# Altium PCB Quark.PcbDoc (part 1 of 4) (continued)
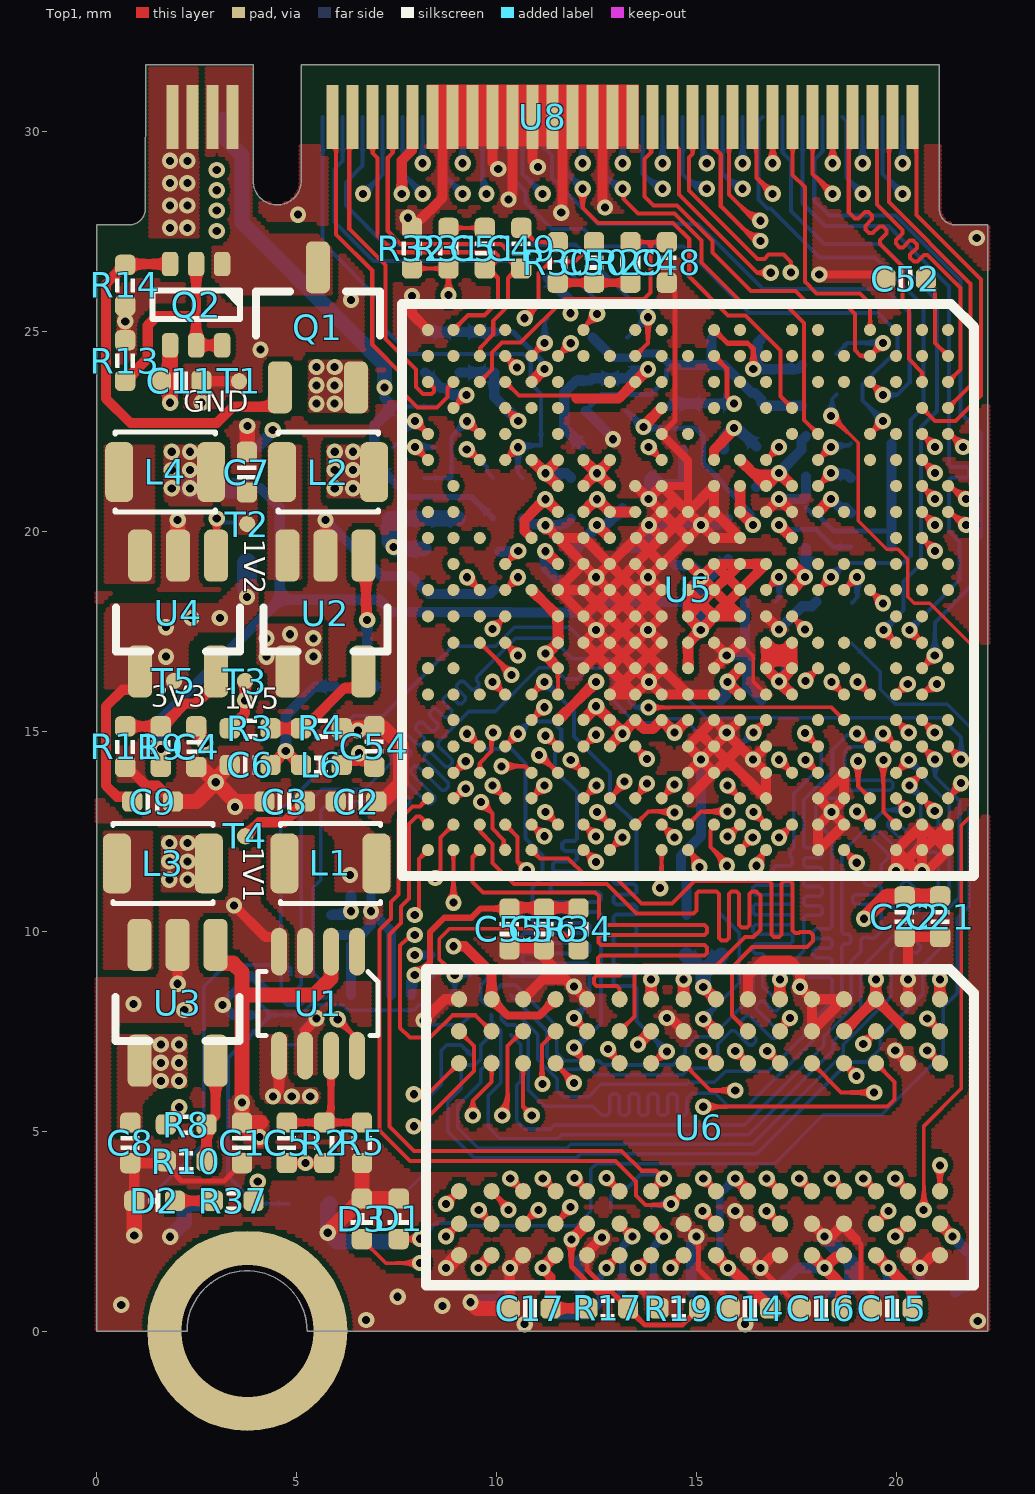
[diagram p0: Top1 view]
## Components (designator, comment, footprint, x,y, rotation, side; value= is the part's Value field where it differs from the comment)
C1 "10uF" CAP_0402 3.628,4.709 r90 top value=0.1u
C2 "10uF" CAP_0402 6.477,13.244 r180 top value=0.1u
C3 "0.1uF" CAP_0402 4.695,13.244 r0 top value=0.1u
C4 "10uF" CAP_0402 2.485,14.615 r90 top value=0.1u
C5 "10uF" CAP_0402 4.746,4.712 r270 top value=0.1u
C6 "10uF" CAP_0402 3.832,14.158 r0 top value=0.1u
C7 "10uF" CAP_0402 3.75,21.478 r270 top value=0.1u
C8 "10uF" CAP_0402 0.834,4.709 r90 top value=0.1u
C9 "10uF" CAP_0402 1.393,13.244 r180 top value=0.1u
C10 "10uF" CAP_0402 12.395,24.333 r270 bottom value=0.1u
C11 "10uF" CAP_0402 2.104,23.759 r180 top value=0.1u
C12 "10uF" CAP_0402 7.315,20.828 r90 bottom value=0.1u
C13 "10uF" CAP_0402 19.177,0.965 r0 bottom value=0.1u
C14 "1uF" CAP_0402 16.327,0.574 r0 top value=0.1u
C15 "0.1uF" CAP_0402 19.883,0.574 r0 top value=0.1u
C16 "0.1uF" CAP_0402 18.105,0.574 r0 top value=0.1u
C17 "0.1uF" CAP_0402 10.831,0.569 r0 top value=0.1u
C18 "0.1uF" CAP_0402 20.947,0.965 r0 bottom value=0.1u
C19 "0.1uF" CAP_0402 17.399,0.965 r180 bottom value=0.1u
C20 "0.1uF" CAP_0402 14.351,0.965 r180 bottom value=0.1u
C21 "0.1uF" CAP_0402 21.082,10.363 r90 top value=0.1u
C22 "0.1uF" CAP_0402 20.193,10.363 r90 top value=0.1u
C23 "0.1uF" CAP_0402 15.606,9.906 r90 bottom value=0.1u
C24 "0.1uF" CAP_0402 14.736,9.906 r270 bottom value=0.1u
C25 "0.1uF" CAP_0402 16.764,16.895 r0 bottom value=0.1u
C26 "0.1uF" CAP_0402 17.729,21.869 r90 bottom value=0.1u
C27 "0.1uF" CAP_0402 17.729,20.082 r270 bottom value=0.1u
C28 "0.1uF" CAP_0402 16.104,15.773 r180 bottom value=0.1u
C29 "1uF" CAP_0402 15.164,21.184 r0 bottom value=0.1u
C30 "0.1uF" CAP_0402 12.725,23.01 r0 bottom value=0.1u
C31 "18pF" CAP_0402 17.628,23.647 r270 bottom value=0.1u
C32 "18pF" CAP_0402 14.351,23.647 r270 bottom value=0.1u
C33 "10uF" CAP_0402 17.475,18.237 r0 bottom value=0.1u
C34 "0.1uF" CAP_0402 14.436,19.685 r270 bottom value=0.1u
C35 "0.1uF" CAP_0402 15.779,19.812 r270 bottom value=0.1u
C36 "0.1uF" CAP_0402 15.697,18.237 r180 bottom value=0.1u
C37 "0.1uF" CAP_0402 15.164,22.047 r180 bottom value=0.1u
C38 "0.1uF" CAP_0402 19.355,20.463 r180 bottom value=0.1u
C39 "10uF" CAP_0402 13.386,21.387 r180 bottom value=0.1u
C40 "0.1uF" CAP_0402 13.144,20.066 r90 bottom value=0.1u
C41 "0.1uF" CAP_0402 11.854,20.828 r90 bottom value=0.1u
C42 "0.1uF" CAP_0402 19.355,19.601 r180 bottom value=0.1u
C43 "1uF" CAP_0402 8.204,24.474 r90 bottom value=0.1u
C44 "10uF" CAP_0402 8.179,20.828 r90 bottom value=0.1u
C45 "10uF" CAP_0402 9.931,24.474 r270 bottom value=0.1u
C46 "0.1uF" CAP_0402 9.068,24.474 r270 bottom value=0.1u
C47 "0.1uF" CAP_0402 10.643,20.828 r90 bottom value=0.1u
C48 "1uF" CAP_0402 14.249,26.721 r270 top value=0.1u
C49 "0.1uF" CAP_0402 10.609,27.076 r90 top value=0.1u
C50 "10uF" CAP_0402 12.429,26.721 r270 top value=0.1u
C51 "0.1uF" CAP_0402 9.699,27.076 r90 top value=0.1u
C52 "0.1uF" CAP_0402 20.218,26.314 r0 top value=0.1u
C53 "0.1uF" CAP_0402 19.355,21.329 r180 bottom value=0.1u
C54 "10uF" CAP_0402 6.934,14.622 r270 top locked value=0.1u
C55 "2.2uF" CAP_0402 10.312,10.058 r90 top value=0.1u
C56 "0.1uF" CAP_0402 11.176,10.058 r90 top value=0.1u
C57 "2.2uF" CAP_0402 5.311,3.19 r0 bottom value=0.1u
C58 "0.1uF" CAP_0402 3.459,3.19 r180 bottom value=0.1u
C59 "0.1uF" CAP_0402 7.513,2.743 r90 bottom value=0.1u
C60 "1uF" CAP_0402 6.599,2.743 r90 bottom value=0.1u
D1 "color?" LED_0402_BLUE 7.544,2.809 r90 top
D2 "color?" LED_0402_RED 1.443,3.261 r180 top
D3 "color?" LED_0402_G 6.624,2.809 r90 top
L1 "2.2uH" 2520-L 5.838,11.694 r0 top locked
L2 "2.2uH" 2520-L 5.782,21.478 r0 top
L3 "2.2uH" 2520-L 1.647,11.694 r0 top locked
L4 "2.2uH" 2520-L 1.708,21.478 r0 top locked
L5 "H0402" IND_0402 16.485,21.613 r90 bottom value=1500R
L6 "H0402" IND_0402 5.61,14.158 r0 top locked value=1500R
Q1 "AO3415A" SOT23-3 5.523,25.095 r90 top locked
Q2 "BCM856BS" SOT363-6 2.48,25.664 r270 top
R1 "10K" RES_0402 6.472,16.119 r180 bottom value=22R
R2 "10K/1%" RES_0402 5.686,4.712 r270 top value=22R
R3 "15K/1%" RES_0402 3.832,15.072 r0 top value=22R
R4 "10K/1%" RES_0402 5.61,15.072 r180 top value=22R
R5 "12K/1%" RES_0402 6.626,4.712 r90 top value=22R
R6 "10K" RES_0402 3.75,19.71 r270 bottom value=22R
R7 "2R/1%" RES_0402 3.75,21.478 r90 bottom value=22R
R8 "30K/1%" RES_0402 2.232,5.168 r0 top value=22R
R9 "10K/1%" RES_0402 1.596,14.615 r270 top value=22R
R10 "6.8K/1%" RES_0402 2.232,4.254 r0 top value=22R
R11 "10K/1%" RES_0402 0.707,14.615 r90 top value=22R
R12 "0R" RES_0402 8.179,19.05 r270 bottom value=22R
R13 "10K/1%" RES_0402 0.707,24.267 r270 top value=22R
R14 "10K/1%" RES_0402 0.707,26.152 r270 top value=22R
R15 "240R/1%" RES_0402 12.573,0.965 r180 bottom value=22R
R16 "240R/1%" RES_0402 10.795,0.965 r180 bottom value=22R
R17 "2K/1%" RES_0402 12.771,0.574 r180 top value=22R
R18 "100R" RES_0402 13.36,3.107 r0 bottom value=22R
R19 "2K/1%" RES_0402 14.549,0.574 r0 top value=22R
R20 "240R/1%" RES_0402 9.931,19.054 r270 bottom value=22R
R21 "1M" RES_0402 11.608,22.149 r0 bottom value=22R
R22 "10K" RES_0402 9.906,20.828 r270 bottom value=22R
R23 "47K" RES_0402 13.259,24.333 r270 bottom value=22R
R24 "10K" RES_0402 11.263,25.824 r90 bottom value=22R
R25 "220K/1%" RES_0402 9.042,20.828 r90 bottom value=22R
R26 "0R" RES_0402 11.854,18.948 r90 bottom value=22R
R27 "100K" RES_0402 7.403,22.606 r270 bottom value=22R
R28 "47K" RES_0402 8.433,22.606 r270 bottom value=22R
R29 "1K" RES_0402 13.339,26.721 r90 top value=22R
R30 "2K" RES_0402 11.519,26.721 r270 top value=22R
R31 "2K" RES_0402 8.789,27.076 r90 top value=22R
R32 "1K" RES_0402 7.878,27.076 r270 top value=22R
R33 "6K/1%" RES_0402 19.355,22.192 r180 bottom value=22R
R34 "0R" RES_0402 12.04,10.058 r270 top value=22R
R35 "10K" RES_0402 1.676,3.19 r180 bottom value=22R
R36 "4.7K" RES_0402 18.872,17.704 r270 bottom value=22R
R37 "4.7K" RES_0402 3.409,3.261 r180 top value=22R
R38 "10K" RES_0402 18.491,23.927 r270 bottom value=22R
T1 "测试点" TEST_PT 3.556,23.749 r0 top
T2 "测试点" TEST_PT 3.759,20.178 r90 top
T3 "测试点" TEST_PT 3.705,16.256 r90 top
T4 "测试点" TEST_PT 3.705,12.374 r90 top
T5 "测试点" TEST_PT 1.931,16.256 r90 top
U1 "MP2143DJ" SOT23-8 5.528,8.189 r180 top locked
U2 "RT8059" SOT23-5 5.711,17.892 r270 top locked
U3 "RT8059" SOT23-5 2.018,8.158 r270 top locked
U4 "SY8089A" SOT23-5 2.028,17.892 r270 top locked
U5 "ALLWINNER-H3(FBGA-347)" "FBGA-347 - duplicate" 14.779,18.533 r270 top locked
U6 "K4B4G1646D-BCK0(FBGA-96_256Mx16_DDR3-1600_11-11-11)" FBGA96(HYNIX_SAMSUNG_512MX16_DDR3) 15.074,5.101 r180 top locked
U7 "KLM8G1GETF-B041" FBGA153 7.102,9.658 r90 bottom locked
U8 "Quantum-Quark-N" M.2 5.644,30.356 r0 top locked
Y1 "24MHz" 晶振2520 15.992,24.006 r90 bottom

## Footprints (in the part's own frame and the unit in brackets; to place one, negate y for a bottom-side part, rotate by r counter-clockwise, add the part's x,y. Pads: shape width x height; smd on the part's side, far side on the other; paste and mask are expansions set on the pad)
2520-L [mm]
  rrect50% 0.7x1.5 smd: 1(-1.15,0) 2(1.15,0)
  silkscreen extent -1.25,-1 1.25,1, body extent -1,-0.6 1,0.6, height 0.92
CAP_0402 [mil]
  rrect50% 20x20 smd: 1(-20,0) 2(20,0)
  silkscreen extent -7,-9 7,9, body extent -20,-10 20,10, height 20
FBGA96(HYNIX_SAMSUNG_512MX16_DDR3) [mil] "FBGA96(HYNIX_SAMSUNG_512MX16_DDR3)"
  rrect100% 16x16 smd: A1(-236.22,-125.98) A2(-236.22,-94.49) A3(-236.22,-62.99) A7(-236.22,63) A8(-236.22,95) A9(-236.22,126) B1(-204.72,-125.98) B2(-204.72,-94.49) B3(-204.72,-62.99) B7(-204.72,63) B8(-204.72,95) B9(-204.72,126) C1(-173.23,-125.98) C2(-173.23,-94.49) C3(-173.23,-62.99) C7(-173.23,63) C8(-173.23,95) C9(-173.23,126) D1(-141.73,-125.98) D2(-141.73,-94.49) D3(-141.73,-62.99) D7(-141.73,63) D8(-141.73,95) D9(-141.73,126) E1(-110.24,-125.98) E2(-110.24,-94.49) E3(-110.24,-62.99) E7(-110.24,63) E8(-110.24,95) E9(-110.24,126) F1(-78.74,-125.98) F2(-78.74,-94.49) F3(-78.74,-62.99) F7(-78.74,63) F8(-78.74,95) F9(-78.74,126) G1(-47.24,-125.98) G2(-47.24,-94.49) G3(-47.24,-62.99) G7(-47.24,63) G8(-47.24,95) G9(-47.24,126) H1(-15.75,-125.98) H2(-15.75,-94.49) H3(-15.75,-62.99) H7(-15.75,63) H8(-15.75,95) H9(-15.75,126) J1(16,-125.98) J2(16,-94.49) J3(16,-62.99) J7(16,63) J8(16,95) J9(16,126) K1(48,-125.98) K2(48,-94.49) K3(48,-62.99) K7(48,63) K8(48,95) K9(48,126) L1(79,-125.98) L2(79,-94.49) L3(79,-62.99) L7(79,63) L8(79,95) L9(79,126) M1(111,-125.98) M2(111,-94.49) M3(111,-62.99) M7(111,63) M8(111,95) M9(111,126) N1(142,-125.98) N2(142,-94.49) N3(142,-62.99) N7(142,63) N8(142,95) N9(142,126) P1(174,-125.98) P2(174,-94.49) P3(174,-62.99) P7(174,63) P8(174,95) P9(174,126) R1(205,-125.98) R2(205,-94.49) R3(205,-62.99) R7(205,63) R8(205,95) R9(205,126) T1(237,-125.98) T2(237,-94.49) T3(237,-62.99) T7(237,63) T8(237,95) T9(237,126)
  silkscreen extent -270,-156 270,156, body extent -276,-157 276,157, height 45
FBGA153 [mm]
  round 0.23 smd: A1(-3.25,3.25) A2(-2.75,3.25) A3(-2.25,3.25) A4(-1.75,3.25) A5(-1.25,3.25) A6(-0.75,3.25) A7(-0.25,3.25) A8(0.25,3.25) A9(0.75,3.25) A10(1.25,3.25) A11(1.75,3.25) A12(2.25,3.25) A13(2.75,3.25) A14(3.25,3.25) B1(-3.25,2.75) B2(-2.75,2.75) B3(-2.25,2.75) B4(-1.75,2.75) B5(-1.25,2.75) B6(-0.75,2.75) B7(-0.25,2.75) B8(0.25,2.75) B9(0.75,2.75) B10(1.25,2.75) B11(1.75,2.75) B12(2.25,2.75) B13(2.75,2.75) B14(3.25,2.75) C1(-3.25,2.25) C2(-2.75,2.25) C3(-2.25,2.25) C4(-1.75,2.25) C5(-1.25,2.25) C6(-0.75,2.25) C7(-0.25,2.25) C8(0.25,2.25) C9(0.75,2.25) C10(1.25,2.25) C11(1.75,2.25) C12(2.25,2.25) C13(2.75,2.25) C14(3.25,2.25) D1(-3.25,1.75) D2(-2.75,1.75) D3(-2.25,1.75) D4(-1.75,1.75) D12(2.25,1.75) D13(2.75,1.75) D14(3.25,1.75) E1(-3.25,1.25) E2(-2.75,1.25) E3(-2.25,1.25) E5(-1.25,1.25) E6(-0.75,1.25) E7(-0.25,1.25) E8(0.25,1.25) E9(0.75,1.25) E10(1.25,1.25) E12(2.25,1.25) E13(2.75,1.25) E14(3.25,1.25) F1(-3.25,0.75) F2(-2.75,0.75) F3(-2.25,0.75) F5(-1.25,0.75) F10(1.25,0.75) F12(2.25,0.75) F13(2.75,0.75) F14(3.25,0.75) G1(-3.25,0.25) G2(-2.75,0.25) G3(-2.25,0.25) G5(-1.25,0.25) G10(1.25,0.25) G12(2.25,0.25) G13(2.75,0.25) G14(3.25,0.25) H1(-3.25,-0.25) H2(-2.75,-0.25) H3(-2.25,-0.25) H5(-1.25,-0.25) H10(1.25,-0.25) H12(2.25,-0.25) H13(2.75,-0.25) H14(3.25,-0.25) J1(-3.25,-0.75) J2(-2.75,-0.75) J3(-2.25,-0.75) J5(-1.25,-0.75) J10(1.25,-0.75) J12(2.25,-0.75) J13(2.75,-0.75) J14(3.25,-0.75) K1(-3.25,-1.25) K2(-2.75,-1.25) K3(-2.25,-1.25) K5(-1.25,-1.25) K6(-0.75,-1.25) K7(-0.25,-1.25) K8(0.25,-1.25) K9(0.75,-1.25) K10(1.25,-1.25) K12(2.25,-1.25) K13(2.75,-1.25) K14(3.25,-1.25) L1(-3.25,-1.75) L2(-2.75,-1.75) L3(-2.25,-1.75) L12(2.25,-1.75) L13(2.75,-1.75) L14(3.25,-1.75) M1(-3.25,-2.25) M2(-2.75,-2.25) M3(-2.25,-2.25) M4(-1.75,-2.25) M5(-1.25,-2.25) M6(-0.75,-2.25) M7(-0.25,-2.25) M8(0.25,-2.25) M9(0.75,-2.25) M10(1.25,-2.25) M11(1.75,-2.25) M12(2.25,-2.25) M13(2.75,-2.25) M14(3.25,-2.25) N1(-3.25,-2.75) N2(-2.75,-2.75) N3(-2.25,-2.75) N4(-1.75,-2.75) N5(-1.25,-2.75) N6(-0.75,-2.75) N7(-0.25,-2.75) N8(0.25,-2.75) N9(0.75,-2.75) N10(1.25,-2.75) N11(1.75,-2.75) N12(2.25,-2.75) N13(2.75,-2.75) N14(3.25,-2.75) P1(-3.25,-3.25) P2(-2.75,-3.25) P3(-2.25,-3.25) P4(-1.75,-3.25) P5(-1.25,-3.25) P6(-0.75,-3.25) P7(-0.25,-3.25) P8(0.25,-3.25) P9(0.75,-3.25) P10(1.25,-3.25) P11(1.75,-3.25) P12(2.25,-3.25) P13(2.75,-3.25) P14(3.25,-3.25)
  silkscreen extent -6.22,-6.61 5.84,6.86, body extent -5.78,-6.54 5.72,6.46, height 0.63
"FBGA-347 - duplicate" [mil] "FBGA-347"
  rrect100% 12x12 smd: A1(-255.91,255.91) A2(-230.31,255.91) A3(-204.72,255.91) A4(-179.13,255.91) A5(-153.54,255.91) A7(-102.36,255.91) A8(-76.77,255.91) A10(-25.59,255.91) A11(0,255.91) A13(52,255.91) A14(77,255.91) A16(128,255.91) A17(154,255.91) A19(205,255.91) A20(231,255.91) A21(256,255.91) AA1(-255.91,-256) AA2(-230.31,-256) AA3(-204.72,-256) AA5(-153.54,-256) AA6(-127.95,-256) AA8(-76.77,-256) AA9(-51.18,-256) AA11(0,-256) AA12(26,-256) AA14(77,-256) AA15(103,-256) AA17(154,-256) AA18(180,-256) AA19(205,-256) AA20(231,-256) AA21(256,-256) B1(-255.91,230.31) B2(-230.31,230.31) B3(-204.72,230.31) B4(-179.13,230.31) B5(-153.54,230.31) B6(-127.95,230.31) B7(-102.36,230.31) B8(-76.77,230.31) B9(-51.18,230.31) B10(-25.59,230.31) B11(0,230.31) B12(26,230.31) B13(52,230.31) B14(77,230.31) B15(103,230.31) B16(128,230.31) B17(154,230.31) B18(180,230.31) B19(205,230.31) B20(231,230.31) B21(256,230.31) C1(-255.91,204.72) C2(-230.31,204.72) C3(-204.72,204.72) C5(-153.54,204.72) C6(-127.95,204.72) C7(-102.36,204.72) C8(-76.77,204.72) C9(-51.18,204.72) C10(-25.59,204.72) C11(0,204.72) C12(26,204.72) C13(52,204.72) C14(77,204.72) C15(103,204.72) C16(128,204.72) C17(154,204.72) C18(180,204.72) C19(205,204.72) C20(231,204.72) C21(256,204.72) D1(-255.91,179.13) D2(-230.31,179.13) D3(-204.72,179.13) D5(-153.54,179.13) D6(-127.95,179.13) D8(-76.77,179.13) D10(-25.59,179.13) D11(0,179.13) D13(52,179.13) D15(103,179.13) D17(154,179.13) D19(205,179.13) D20(231,179.13) E2(-230.31,153.54) E3(-204.72,153.54) E8(-76.77,153.54) E10(-25.59,153.54) E11(0,153.54) E13(52,153.54) E14(77,153.54) E15(103,153.54) E16(128,153.54) E18(180,153.54) E19(205,153.54) E20(231,153.54) E21(256,153.54) F1(-255.91,127.95) F2(-230.31,127.95) F3(-204.72,127.95) F5(-153.54,127.95) F6(-127.95,127.95) F7(-102.36,127.95) F8(-76.77,127.95) F10(-25.59,127.95) F11(0,127.95) F13(52,127.95) F14(77,127.95) F16(128,127.95) F17(154,127.95) F18(180,127.95) F19(205,127.95) F20(231,127.95) F21(256,127.95) G1(-255.91,102.36) G2(-230.31,102.36) G4(-179.13,102.36) G5(-153.54,102.36) G7(-102.36,102.36) G8(-76.77,102.36) G9(-51.18,102.36) G10(-25.59,102.36) G11(0,102.36) G12(26,102.36) G13(52,102.36) G14(77,102.36) G15(103,102.36) G18(180,102.36) G20(231,102.36) H2(-230.31,76.77) H3(-204.72,76.77) H4(-179.13,76.77) H6(-127.95,76.77) H7(-102.36,76.77) H8(-76.77,76.77) H10(-25.59,76.77) H11(0,76.77) H12(26,76.77) H13(52,76.77) H14(77,76.77) H15(103,76.77) H16(128,76.77) H17(154,76.77) H18(180,76.77) H19(205,76.77) H20(231,76.77) H21(256,76.77) J1(-255.91,51.18) J2(-230.31,51.18) J3(-204.72,51.18) J6(-127.95,51.18) J7(-102.36,51.18) J8(-76.77,51.18) J9(-51.18,51.18) J10(-25.59,51.18) J11(0,51.18) J12(26,51.18) J13(52,51.18) J14(77,51.18) J15(103,51.18) J16(128,51.18) J19(205,51.18) J20(231,51.18) J21(256,51.18) K1(-255.91,25.59) K2(-230.31,25.59) K3(-204.72,25.59) K4(-179.13,25.59) K6(-127.95,25.59) K7(-102.36,25.59) K8(-76.77,25.59) K9(-51.18,25.59) K10(-25.59,25.59) K11(0,25.59) K12(26,25.59) K13(52,25.59) K14(77,25.59) K15(103,25.59) K16(128,25.59) K17(154,25.59) K18(180,25.59) K20(231,25.59) L2(-230.31,0) L5(-153.54,0) L8(-76.77,0) L9(-51.18,0) L10(-25.59,0) L11(0,0) L12(26,0) L13(52,0) L14(77,0) L15(103,0) L16(128,0) L17(154,0) L18(180,0) L19(205,0) L20(231,0) L21(256,0) M1(-255.91,-26) M2(-230.31,-26) M3(-204.72,-26) M4(-179.13,-26) M5(-153.54,-26) M6(-127.95,-26) M7(-102.36,-26) M8(-76.77,-26) M9(-51.18,-26) M10(-25.59,-26) M11(0,-26) M12(26,-26) M13(52,-26) M14(77,-26) M15(103,-26) M16(128,-26) M19(205,-26) M20(231,-26) M21(256,-26) N1(-255.91,-52) N2(-230.31,-52) N3(-204.72,-52) N7(-102.36,-52) N8(-76.77,-52) N9(-51.18,-51.18) N10(-25.59,-52) N11(0,-52) N12(26,-52) N13(52,-52) N14(77,-52) N15(103,-52) N16(128,-52) N17(154,-52) N19(205,-52) N20(231,-52) P2(-230.31,-77) P3(-204.72,-77) P6(-127.95,-77) P7(-102.36,-77) P8(-76.77,-77) P9(-51.18,-77) P10(-25.59,-77) P11(0,-77) P12(26,-77) P13(52,-77) P14(77,-77) P15(103,-77) P16(128,-77) P17(154,-77) P19(205,-77) P20(231,-77) P21(256,-77) R1(-255.91,-103) R2(-230.31,-103) R6(-127.95,-103) R7(-102.36,-103) R8(-76.77,-103) R9(-51.18,-103) R10(-25.59,-103) R11(0,-103) R12(26,-103) R13(52,-103) R14(77,-103) R16(128,-103) R17(154,-103) R18(180,-103) R19(205,-103) R20(231,-103) R21(256,-103) T2(-230.31,-128) T3(-204.72,-128) T4(-179.13,-128) T5(-153.54,-128) T6(-127.95,-128) T7(-102.36,-128) T8(-76.77,-128) T9(-51.18,-128) T10(-25.59,-128) T11(0,-128) T12(26,-128) T13(52,-128) T14(77,-128) T15(103,-128) T16(128,-128) T17(154,-128) T18(180,-128) T20(231,-128) U2(-230.31,-154) U3(-204.72,-154) U4(-179.13,-154) U6(-127.95,-154) U9(-51.18,-154) U11(0,-154) U15(103,-154) U16(128,-154) U18(180,-154) U19(205,-154) U20(231,-154) U21(256,-154) V1(-255.91,-180) V2(-230.31,-180) V3(-204.72,-180) V4(-179.13,-180) V5(-153.54,-180) V6(-127.95,-180) V10(-25.59,-180) V11(0,-180) V12(26,-180) V13(52,-180) V15(103,-180) V17(154,-180) V19(205,-180) V20(231,-180) V21(256,-180) W1(-255.91,-205) W2(-230.31,-205) W3(-204.72,-205) W5(-153.54,-205) W6(-127.95,-205) W9(-51.18,-205) W11(0,-205) W12(26,-205) W13(52,-205) W15(103,-205) W17(154,-205) W18(180,-205) W20(231,-205) W21(256,-205) Y1(-255.91,-231) Y2(-230.31,-231) Y3(-204.72,-231) Y4(-179.13,-231) Y7(-102.36,-231) Y8(-76.77,-231) Y9(-51.18,-231) Y10(-25.59,-231) Y11(0,-231) Y12(26,-231) Y13(52,-231) Y14(77,-231) Y15(103,-231) Y16(128,-231) Y17(154,-231) Y18(180,-231) Y19(205,-231) Y20(231,-231) Y21(256,-231)
  silkscreen extent -281,-281 281,281, body extent -276,-276 276,276, height 54
IND_0402 [mil]
  rrect50% 20x20 smd: 1(-20,0) 2(20,0)
  silkscreen extent -7,-9 7,9, body extent -20,-10 20,10, height 20
LED_0402_BLUE [mil]
  rrect50% 20x20 smd: 1(-20,0) 2(20,0)
  silkscreen extent -6,-10 6,10, body extent -20,-10 20,10, height 18
LED_0402_G [mil]
  rrect50% 20x20 smd: 1(-20,0) 2(20,0)
  silkscreen extent -6,-10 6,10, body extent -20,-10 20,10, height 18
LED_0402_RED [mil]
  rrect50% 20x20 smd: 1(-20,0) 2(20,0)
  silkscreen extent -6,-10 6,10, body extent -20,-10 20,10, height 18
M.2 [mm]
  rect 0.3x1.6 smd: 1(-3.75,0.003) 3(-3.25,0.003) 5(-2.75,0.003) 7(-2.25,0.003) 17(0.25,0) 19(0.75,0) 21(1.25,0) 23(1.75,0) 25(2.25,0) 27(2.75,0) 29(3.25,0) 31(3.75,0) 33(4.25,0) 35(4.75,0) 37(5.25,0) 39(5.75,0) 41(6.25,0) 43(6.75,0) 45(7.25,0) 47(7.75,0) 49(8.25,0) 51(8.75,0) 53(9.25,0) 55(9.75,0) 57(10.25,0) 59(10.75,0) 61(11.25,0) 63(11.75,0) 65(12.25,0) 67(12.75,0) 69(13.25,0) 71(13.75,0) 73(14.25,0) 75(14.75,0)
  rect 0.3x1.6 smd far side: 2(-3.5,0) 4(-3,0) 6(-2.5,0) 16(0,0) 18(0.5,0) 20(1,0) 22(1.5,0) 24(2,0) 26(2.5,0) 28(3,0) 30(3.5,0) 32(4,0) 34(4.5,0) 36(5,0) 38(5.5,0) 40(6,0) 42(6.5,0) 44(7,0) 46(7.5,0) 48(8,0) 50(8.5,0) 52(9,0) 54(9.5,0) 56(10,0) 58(10.5,0) 60(11,0) 62(11.5,0) 64(12,0) 66(12.5,0) 68(13,0) 70(13.5,0) 72(14,0) 74(14.5,0)
RES_0402 [mil]
  rrect50% 20x20 smd: 1(-20,0) 2(20,0)
  silkscreen extent -7,-10 7,10, body extent -20,-10 20,10, height 14
SOT23-3 [mm] "SOT23, 3-Leads, Body 3.1x3.0mm (max), Pitch 0.95mm, IPC Medium Density"
  rrect50% 1.3x0.6 smd: 1(-1.5,0.95) 2(-1.5,-0.95) 3(1.5,0)
  silkscreen extent -0.2,-1.55 0.9,1.55, body extent -1.3,-1.45 1.5,1.45, height 1.2
SOT23-5 [mm] "SOT23, 3-Leads, Body 3.1x3.0mm (max), Pitch 0.95mm, IPC Medium Density"
  rrect50% 1.3x0.6 smd: 1(-1.5,0.95) 2(-1.5,0) 3(-1.5,-0.95) 4(1.396,-0.95) 5(1.396,0.95)
  silkscreen extent -0.2,-1.55 0.9,1.55, body extent -1.48,-1.45 1.32,1.45, height 1.2
SOT23-8 [mm]
  oval 0.4x1.2 smd: 1(-0.975,-1.3) 2(-0.325,-1.3) 3(0.325,-1.3) 4(0.975,-1.3) 5(0.975,1.3) 6(0.325,1.3) 7(-0.325,1.3) 8(-0.975,1.3)
  silkscreen extent -1.5,-0.8 1.5,0.8, body extent -1.44,-1.43 1.5,1.37, height 1.2
SOT363-6 [mil]
  rrect50% 24x16 smd: 1(-40,25.59) 2(-40,0) 3(-40,-25.59) 4(40,-25.59) 5(40,0) 6(40,25.59)
  silkscreen extent -14,-43 14,43, body extent -41,-39 41,39, height 37
TEST_PT [mil]
  rrect100% 16x16 smd: 0(0,0.01)
晶振2520 [mm]
  rrect50% 0.8x0.6 smd: 1(-0.81,-0.625) 2(0.81,-0.625) 3(0.81,0.625) 4(-0.81,0.625)
  silkscreen extent -1.4,-1.1 1.4,1.1, body extent -1.3,-1.05 1.3,1.05, height 0.55

## Part data
C1 C2 C3 C4 C5 C6 C7 C8 C9 C10 C11 C12 C13 C14 C15 C16 C17 C18 C19 C20 C21 C22 C23 C24 C25 C26 C27 C28 C29 C30 C31 C32 C33 C34 C35 C36 C37 C38 C39 C40 C41 C42 C43 C44 C45 C46 C47 C48 C49 C50 C51 C52 C53 C54 C55 C56 C57 C58 C59 C60: library part 电容-0402, "Capacitor"
D1 D2 D3: library part LED_0402, "LED", Type=0402
L1 L2 L3 L4: library part 电感-2520, "磁珠"
L5 L6: library part Ind_0402, "Inductor", Specification="±5% 100mA", Type=0402
Q1: "MOSFET", LatestRevisionDate=17-Jul-2002, LatestRevisionNote="Re-released for DXP Platform.", PackageDescription="TO, Flat Index; 3 In-Line, Axial Leads; Body Dia. 4.6mm; Lead Dia. 0.5 mm (max)", PackageReference=E3, PackageVersion=1995/1996, Published=8-Jun-2000, Publisher="Altium Limited"
Q2: "Transistor"
R1 R2 R3 R4 R5 R6 R7 R8 R9 R10 R11 R12 R13 R14 R15 R16 R17 R18 R19 R20 R21 R22 R23 R24 R25 R26 R27 R28 R29 R30 R31 R32 R33 R34 R35 R36 R37 R38: library part 电阻-0402, "Resistor"
U1 U2 U3 U4: "LDO"
U6: library part K4B8G1646Q-MYK0(FBGA-96_512MX16_DDR3-1600)
U7: library part EMMC, "8GB三星EMMC芯片"
Y1: library part 晶振-4Pin-无源, "2520无源", Package="SMD-6 ECS International", Availability=Unavailable, MF="ECS International", MP=ECS-3225S30-240-EN-TR, Price="0.75 USD"

## Free pads (board coordinates)
  round 5 hole 3.3: 0(3.76,0.01)

## Via types
v1: diameter 0.406, hole 0.203, Top1 to Bottom6, tented both sides, 389 vias

## Nets (pads, with @x,y where several pads share a name; then routed paths per layer and width w, separated by ;. In a path a pad name is that pad's centre, name@x,y a point inside that pad or via, vN(x,y) a via of type N, cw(c..) or ccw(c..) an arc to the next point about the centre after c; other vN are vias at no path point)
AGND: C12.1 C43.2 C44.1 C45.1 C46.1 R12.1 R25.1 U5.U3 U8.25 | length 21.9
  Top1 w0.254: v1(7.62,28.435) 7.62,29.268 7.871,29.519 7.871,30.333 U8.25@7.894,30.356 ; U5.U3@10.868,23.733 v1(11.193,24.058)
  Signal5 w0.381: v1(7.417,19.609) 8.484,20.676 8.484,24.003 ; v1(7.62,28.435) 7.137,27.953 7.137,25.349 8.484,24.003 ; v1(11.193,24.058) 10.63,23.495 10.058,23.495 9.55,24.003 8.484,24.003
  Bottom6 w0.127: C45.1@9.931,24.982 10.399,24.982 v1@11.139,24.242
  Bottom6 w0.254: C43.2@8.204,24.982 C46.1@9.068,24.982 C45.1@9.931,24.982
  Bottom6 w0.381: v1@7.315,19.717 C12.1@7.315,20.32 C44.1@8.179,20.32 R25.1@9.042,20.32 ; v1@7.474,19.558 R12.1@8.179,19.558
AP-RESET#: C47.2 R21.1 U5.V6 U8.16 | length 14
  Top1 w0.102: U5.V6@10.207,21.783 v1(10.525,22.101)
  Bottom6 w0.102: U8.16@5.644,30.356 5.644,27.214 7.158,25.7 7.158,25.09 7.814,24.434 10.66,24.434 10.846,24.248 10.846,23.688 11.1,23.434 R21.1@11.1,22.149 10.573,22.149 v1(10.525,22.101) 10.525,21.454 C47.2@10.643,21.336
EMMC-CLK: U5.A17 U7.M6 | length 25.7
  Top1 w0.102: U5.A17@21.279,14.622 v1(21.604,14.296)
  Bottom6 w0.089: U7.M6@4.852,8.908 4.84,8.92 4.84,9.069 4.601,9.309 4.601,13.03 5.515,13.945 6.191,14.621 6.191,15.161 6.423,15.392 7.163,15.392 8.89,17.12 9.62,17.12 ; 9.728,17.12 9.62,17.12 ; v1(21.604,14.296) 21.604,14.845 21.107,15.342 15.24,15.342 13.487,17.094 12.32,17.094 11.812,17.602 10.439,17.602 9.957,17.12 9.62,17.12
EMMC-CMD: U5.E16 U7.M5 | length 25.3
  Top1 w0.089: v1@13.843,15.596 18.366,15.596 U5.E16@18.679,15.282
  Bottom6 w0.089: U7.M5@4.852,8.408 5.104,8.66 5.104,13.029 5.626,13.551 6.693,13.551 7.358,14.216 7.358,14.386 7.443,14.472 7.528,14.472 7.571,14.429 7.673,14.327 7.759,14.327 7.844,14.412 7.844,14.497 7.634,14.707 7.634,14.793 7.719,14.878 7.805,14.878 8.015,14.668 8.1,14.668 8.185,14.753 8.185,14.839 7.975,15.049 7.975,15.134 8.061,15.219 8.146,15.219 8.254,15.112 8.356,15.01 8.441,15.01 8.526,15.095 8.526,15.18 8.424,15.282 8.317,15.39 8.317,15.475 8.402,15.561 8.487,15.561 8.595,15.453 8.697,15.351 8.782,15.351 8.867,15.436 8.867,15.522 8.766,15.624 8.658,15.731 8.658,15.817 8.743,15.902 8.828,15.902 9.038,15.692 9.124,15.692 9.209,15.777 9.209,15.862 8.999,16.072 8.999,16.158 9.084,16.243 9.17,16.243 9.277,16.135 9.37,16.043 9.455,16.043 9.54,16.128 9.54,16.214 9.491,16.263 9.491,16.349 10.465,17.323 11.383,17.323 11.891,16.815 13.132,16.815 13.31,16.637 13.31,15.726 13.44,15.596 v1(13.792,15.596)
EMMC-D0: U5.B18 U7.A3 | length 23.9
  Top1 w0.102: v1(20.312,13.644) U5.B18@20.629,13.961
  Bottom6 w0.089: U7.A3@10.352,7.408 10.601,7.16 10.601,6.257 10.49,6.147 10.49,5.258 10.692,5.056 11.33,5.056 11.43,5.156 16.189,5.156 18.173,7.14 18.173,7.363 18.86,8.05 18.86,9.244 19.101,9.485 19.101,9.789 19.167,9.855 19.279,9.855 19.304,9.83 19.445,9.83 19.609,9.993 19.609,10.612 19.548,10.673 18.951,10.673 18.891,10.733 18.891,10.854 18.951,10.914 19.548,10.914 19.609,10.974 19.609,11.095 19.548,11.155 19.249,11.155 19.188,11.216 19.188,11.336 19.249,11.397 19.55,11.397 19.609,11.455 19.609,11.659 19.789,11.839 19.789,11.924 19.397,12.316 19.397,12.401 19.482,12.486 19.568,12.486 20.03,12.024 20.116,12.024 20.201,12.109 20.201,12.195 20.173,12.223 19.773,12.622 19.773,12.707 19.859,12.793 19.944,12.793 20.284,12.452 20.618,12.452 20.671,12.504 20.671,12.578 20.599,12.649 20.599,13.356 v1(20.312,13.644)
EMMC-D1: U5.C17 U7.A4 | length 24
  Top1 w0.102: v1(19.654,14.947) U5.C17@19.979,14.622
  Bottom6 w0.089: U7.A4@10.352,7.908 10.532,7.908 11.024,7.417 11.024,6.787 11.506,6.305 11.506,6.02 11.659,5.867 12.294,5.867 12.6,6.173 14.744,6.173 14.794,6.223 15.436,6.223 15.715,6.502 16.789,6.502 17.69,7.403 17.69,7.563 18.377,8.25 18.377,8.371 18.377,8.612 18.377,8.793 18.317,8.853 17.81,8.853 17.75,8.914 17.75,9.034 17.81,9.095 18.317,9.095 18.377,9.155 18.377,9.276 18.317,9.336 17.967,9.336 17.907,9.396 17.907,9.517 17.967,9.577 18.317,9.577 18.377,9.638 18.377,9.758 18.317,9.818 17.967,9.818 17.907,9.879 17.907,9.999 17.967,10.06 18.317,10.06 18.377,10.12 18.377,10.135 18.377,12.344 17.97,12.751 17.97,13.144 18.146,13.32 18.544,13.32 18.754,13.529 19.834,13.529 19.894,13.589 19.894,13.71 19.834,13.77 18.754,13.77 18.693,13.831 18.693,14.502 18.801,14.61 19.318,14.61 v1(19.654,14.947)
EMMC-D2: U5.D17 U7.A5 | length 23.9
  Top1 w0.102: v1(19.004,14.947) U5.D17@19.329,14.622
  Bottom6 w0.089: U7.A5@10.352,8.408 11.252,7.508 11.252,6.858 11.557,6.553 12.35,6.553 12.488,6.415 14.644,6.415 14.808,6.579 15.367,6.579 15.519,6.731 15.519,7.174 15.86,7.515 15.945,7.515 16.304,7.156 16.389,7.156 16.474,7.241 16.474,7.327 16.116,7.685 16.116,7.771 16.231,7.886 16.316,7.886 16.878,7.324 16.963,7.324 17.048,7.409 17.048,7.494 16.487,8.056 16.487,8.141 16.591,8.246 16.676,8.246 16.908,8.014 16.993,8.014 17.078,8.099 17.078,8.185 16.644,8.619 16.644,8.872 16.941,9.169 17.334,9.169 17.666,9.501 17.666,10.033 17.666,10.154 17.666,10.335 17.726,10.395 18.075,10.395 18.136,10.455 18.136,10.576 18.075,10.636 17.726,10.636 17.666,10.697 17.666,10.817 17.726,10.878 18.075,10.878 18.136,10.938 18.136,11.059 18.075,11.119 17.726,11.119 17.666,11.179 17.666,11.3 17.726,11.36 18.075,11.36 18.136,11.42 18.136,11.541 18.075,11.601 17.726,11.601 17.666,11.662 17.666,11.782 17.726,11.843 18.075,11.843 18.136,11.903 18.136,12.024 18.075,12.084 17.726,12.084 17.666,12.144 17.666,12.217 17.666,13.271 18.39,13.995 18.39,14.54 18.751,14.902 18.959,14.902 v1(19.004,14.947)
EMMC-D3: U5.C18 U7.B2 | length 23.9
  Top1 w0.102: U5.C18@19.979,13.961 v1(20.297,14.279)
  Bottom6 w0.089: U7.B2@9.852,6.908 9.826,6.882 9.826,6.761 9.601,6.536 9.601,6.222 9.017,5.639 9.017,5.089 9.533,4.573 11.745,4.573 11.846,4.674 16.389,4.674 18.655,6.94 18.655,7.163 19.863,8.371 19.863,9.5 19.948,9.585 20.076,9.713 20.161,9.713 20.413,9.461 20.498,9.461 20.584,9.547 20.584,9.632 20.332,9.884 20.332,9.969 20.417,10.054 20.503,10.054 20.754,9.803 20.839,9.803 20.925,9.888 20.925,9.973 20.673,10.225 20.673,10.31 20.688,10.325 21.311,10.947 21.311,13.172 20.713,13.769 20.713,13.862 v1(20.297,14.279)
EMMC-D4: U5.B17 U7.B3 | length 24
  Top1 w0.102: U5.B17@20.629,14.622 v1(20.954,14.296)
  Bottom6 w0.089: 9.104,6.564 9.104,6.067 8.776,5.739 8.776,4.989 9.433,4.332 11.99,4.332 12.09,4.432 16.489,4.432 18.788,6.731 19.253,6.731 19.583,7.061 19.583,7.366 20.65,8.433 20.65,9.144 21.234,9.728 21.234,10.516 21.565,10.846 21.565,13.259 20.954,13.869 v1(20.954,14.296) ; 9.105,6.564 9.197,6.657 9.344,6.657 9.347,6.66 9.455,6.66 9.601,6.805 9.601,6.832 ; 9.601,6.833 9.601,7.157 U7.B3@9.852,7.408
EMMC-D5: U5.B19 U7.B4 | length 23.8
  Top1 w0.102: U5.B19@20.629,13.326 v1(20.947,13.009)
  Bottom6 w0.089: U7.B4@9.852,7.908 9.865,7.896 9.865,7.747 10.101,7.511 10.101,6.214 9.779,5.893 9.779,5.105 10.07,4.815 11.52,4.815 11.62,4.915 16.289,4.915 18.414,7.04 18.414,7.263 19.101,7.95 19.101,9.079 20.066,10.044 20.093,10.071 20.221,10.199 20.221,10.284 19.85,10.655 19.85,10.74 19.935,10.825 20.021,10.825 20.391,10.455 20.477,10.455 20.562,10.54 20.562,10.625 20.11,11.077 20.11,11.163 20.195,11.248 20.281,11.248 20.733,10.796 20.818,10.796 20.946,10.924 21.031,11.009 21.031,11.836 21.031,11.909 20.971,11.97 20.502,11.97 20.442,12.03 20.442,12.151 20.502,12.211 20.971,12.211 21.031,12.271 21.031,12.452 21.031,12.573 21.031,12.798 21.008,12.821 21.008,12.948 v1(20.947,13.009)
EMMC-D6: U5.F17 U7.B5 | length 23.9
  Top1 w0.102: v1(17.699,14.952) U5.F17@18.029,14.622
  Bottom6 w0.089: U7.B5@9.852,8.408 10.101,8.657 10.455,8.657 11.43,7.682 11.43,7.672 11.493,7.608 11.493,6.958 11.694,6.758 12.553,6.758 12.654,6.656 14.403,6.656 14.707,6.96 14.707,7.087 14.986,7.366 15.37,7.366 16.402,8.398 16.402,9.141 16.463,9.201 16.631,9.201 16.692,9.261 16.692,9.382 16.631,9.442 16.463,9.442 16.402,9.503 16.402,9.623 16.463,9.684 17.333,9.684 17.393,9.744 17.393,9.865 17.333,9.925 16.463,9.925 16.402,9.985 16.402,10.106 16.463,10.166 17.333,10.166 17.393,10.227 17.393,10.347 17.333,10.408 16.463,10.408 16.402,10.468 16.402,10.611 16.463,10.671 17.333,10.671 17.393,10.731 17.393,10.852 17.333,10.912 16.463,10.912 16.402,10.973 16.402,11.093 16.463,11.154 17.333,11.154 17.393,11.214 17.393,11.335 17.333,11.395 16.971,11.395 16.91,11.455 16.91,11.576 16.971,11.636 17.328,11.636 17.389,11.697 17.389,11.817 17.328,11.878 17.328,11.994 17.424,12.09 17.424,13.437 18.11,14.122 18.11,14.541 v1(17.699,14.952)
EMMC-D7: U5.C19 U7.B6 | length 23.9
  Top1 w0.102: U5.C19@19.979,13.326 v1@20.297,13.009
  Bottom6 w0.089: U7.B6@9.852,8.908 9.601,8.657 9.601,8.28 9.722,8.16 9.898,8.16 ; 9.902,8.16 9.955,8.16 ; 9.955,8.157 10.104,8.008 10.104,7.805 10.253,7.657 10.455,7.657 10.788,7.324 10.788,6.027 11.189,5.626 12.394,5.626 12.622,5.397 12.76,5.397 12.82,5.458 12.82,5.872 12.881,5.932 13.001,5.932 13.062,5.872 13.062,5.458 13.122,5.397 13.243,5.397 13.303,5.458 13.303,5.872 13.363,5.932 13.484,5.932 13.544,5.872 13.544,5.458 13.604,5.397 13.725,5.397 13.785,5.458 13.785,5.872 13.846,5.932 13.966,5.932 14.027,5.872 14.027,5.458 14.087,5.397 14.208,5.397 14.268,5.458 14.268,5.872 14.328,5.932 14.449,5.932 14.509,5.872 14.509,5.458 14.57,5.397 14.69,5.397 14.751,5.458 14.751,5.824 14.876,5.95 15.462,5.95 15.773,5.639 16.276,5.639 17.931,7.294 17.931,7.463 18.618,8.15 18.618,9.623 18.679,9.684 18.789,9.684 18.849,9.744 18.849,9.865 18.789,9.925 18.679,9.925 18.618,9.985 18.618,11.963 19.689,13.034 v1(20.246,13.034)
EMMC-RSTN: R35.2 U5.H16 U7.K5 | length 35.5
  Top1 w0.102: v1(16.412,14.964) U5.H16@16.729,15.282
  Bottom6 w0.089: R35.2@1.168,3.19 2.667,4.689 2.667,8.611 3.213,9.157 4.458,9.157 4.604,9.01 4.604,8.305 4.753,8.157 5.092,8.157 5.273,8.338 5.743,8.338 5.814,8.408 U7.K5@5.852,8.408 5.825,8.435 5.825,8.551 5.41,8.966 5.41,11.1 5.601,11.29 5.601,13.017 5.817,13.233 7.036,13.233 7.249,13.447 7.334,13.447 7.653,13.129 7.738,13.129 7.823,13.214 7.823,13.299 7.505,13.617 7.505,13.703 7.59,13.788 7.676,13.788 8.276,13.188 8.361,13.188 8.446,13.273 8.446,13.359 7.846,13.959 7.846,14.044 7.932,14.129 8.017,14.129 8.617,13.529 8.702,13.529 8.788,13.614 8.788,13.7 8.188,14.3 8.188,14.385 8.273,14.47 8.358,14.47 8.713,14.116 8.798,14.116 8.884,14.201 8.884,14.286 8.529,14.641 8.529,14.726 9.296,15.494 9.957,15.494 11.049,16.586 11.43,16.586 11.709,16.307 12.014,16.307 12.281,16.573 12.662,16.573 12.929,16.307 12.929,15.748 13.462,15.215 14.097,15.215 14.199,15.316 14.681,15.316 15.596,14.402 15.849,14.402 v1(16.412,14.964)
EPHY-LINK-LED: C52.2 U5.A2 | length 2.2
  Top1 w0.102: C52.2@20.726,26.314 20.726,26.28 20.955,26.052 20.955,24.708 U5.A2@21.279,24.383
EPHY-RXN: U5.A4 U8.73 | length 8.6
  Top1 w0.102: U8.73@19.894,30.356 19.801,30.264 19.801,28.231 21.844,26.187 21.844,23.648 U5.A4@21.279,23.083 ; U8.73@19.939,30.356 U8.73@19.939,30.531
EPHY-RXP: U5.B4 U8.75 | length 9.5
  Top1 w0.102: U8.75@20.394,30.356 20.486,30.264 20.486,27.904 22.098,26.292 22.098,23.393 21.463,22.758 20.954,22.758 U5.B4@20.629,23.083
EPHY-SPD-LED: C53.2 U5.F7 | length 1
  Top1 w0.102: U5.F7@18.029,21.133 v1(18.354,21.458)
  Bottom6 w0.102: v1@18.415,21.48 v1@18.415,21.488
  Bottom6 w0.254: v1@18.364,21.463 18.398,21.429 18.746,21.429 C53.2@18.847,21.329
EPHY-TXN: U5.A3 U8.71 | length 8.8
  Top1 w0.102: U8.71@19.394,30.356 19.493,30.257 19.493,29.562 19.507,29.548 19.507,28.165 20.138,27.534 20.138,27.444 19.973,27.278 19.973,27.189 20.063,27.099 20.153,27.099 20.318,27.264 20.408,27.264 20.498,27.174 20.498,27.085 20.332,26.919 20.332,26.829 20.422,26.74 20.512,26.74 20.677,26.905 20.767,26.905 21.59,26.082 21.59,24.044 U5.A3@21.279,23.733
EPHY-TXP: U5.B3 U8.69 | length 8.6
  Top1 w0.102: U8.69@18.894,30.356 18.796,30.259 18.796,27.965 18.946,27.815 19.036,27.815 19.201,27.981 19.291,27.981 19.381,27.891 19.381,27.801 19.216,27.636 19.216,27.546 19.305,27.456 19.395,27.456 19.561,27.622 19.65,27.622 19.74,27.532 19.74,27.442 19.575,27.276 19.575,27.187 20.142,26.619 20.142,25.756 20.297,25.601 20.297,24.303 20.629,23.97 U5.B3@20.629,23.733